# KiCad board lights.kicad_pcb
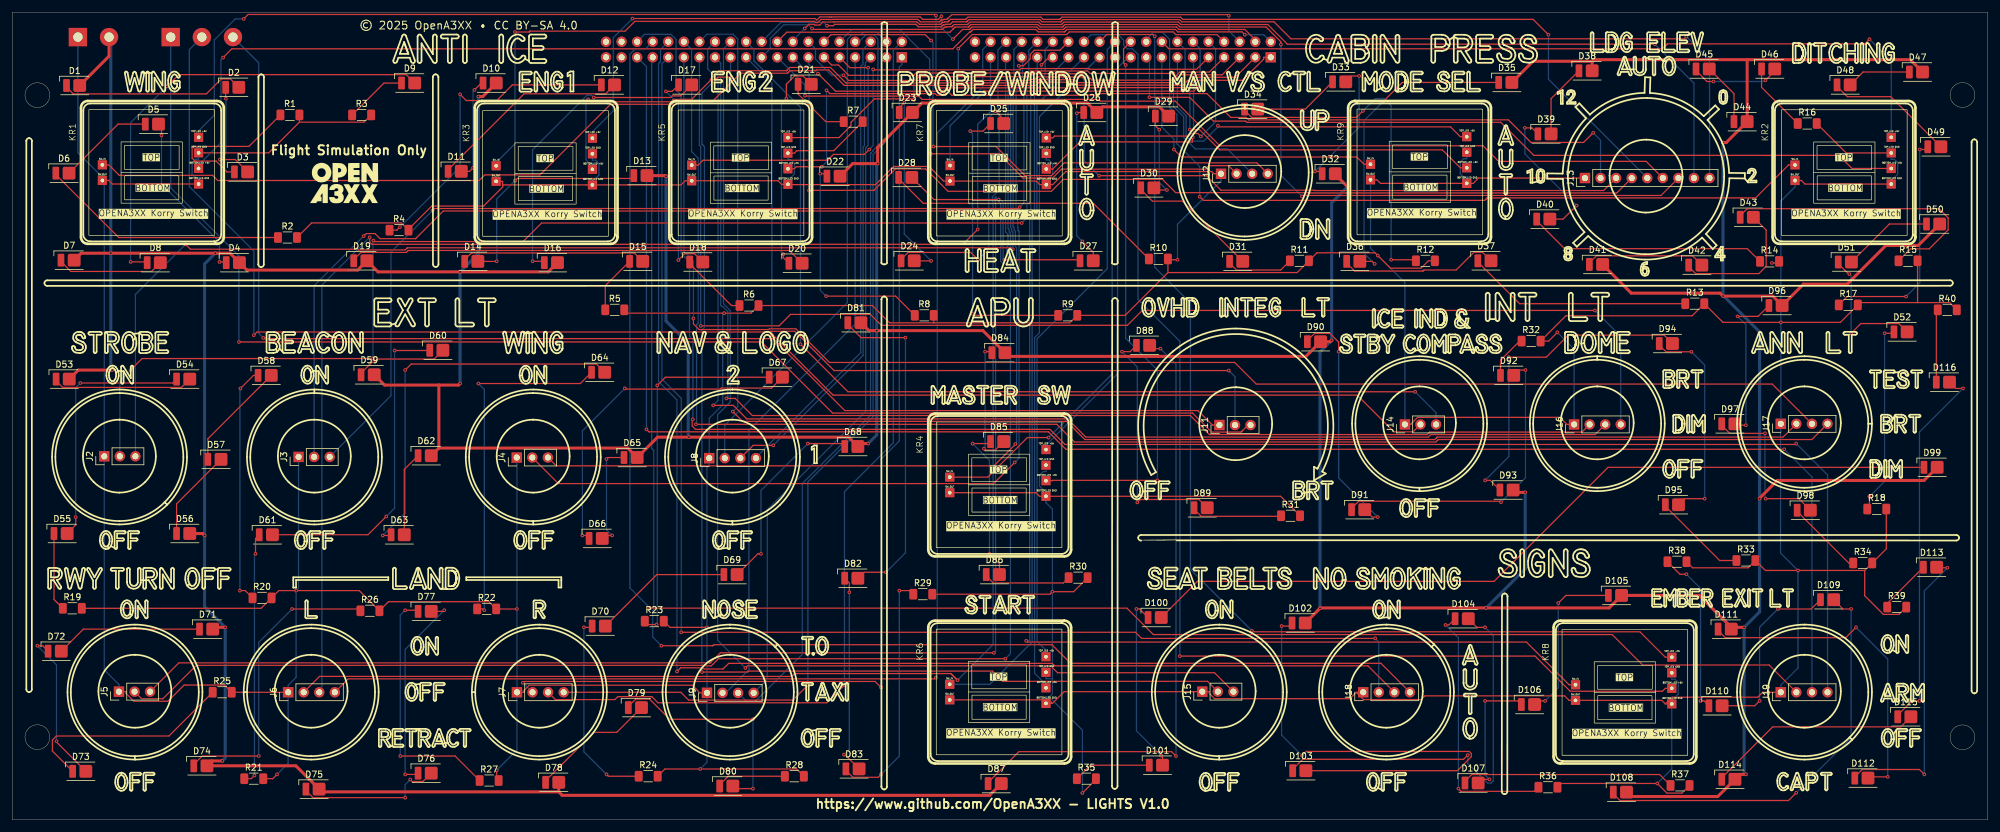
[diagram p0: board, top side]
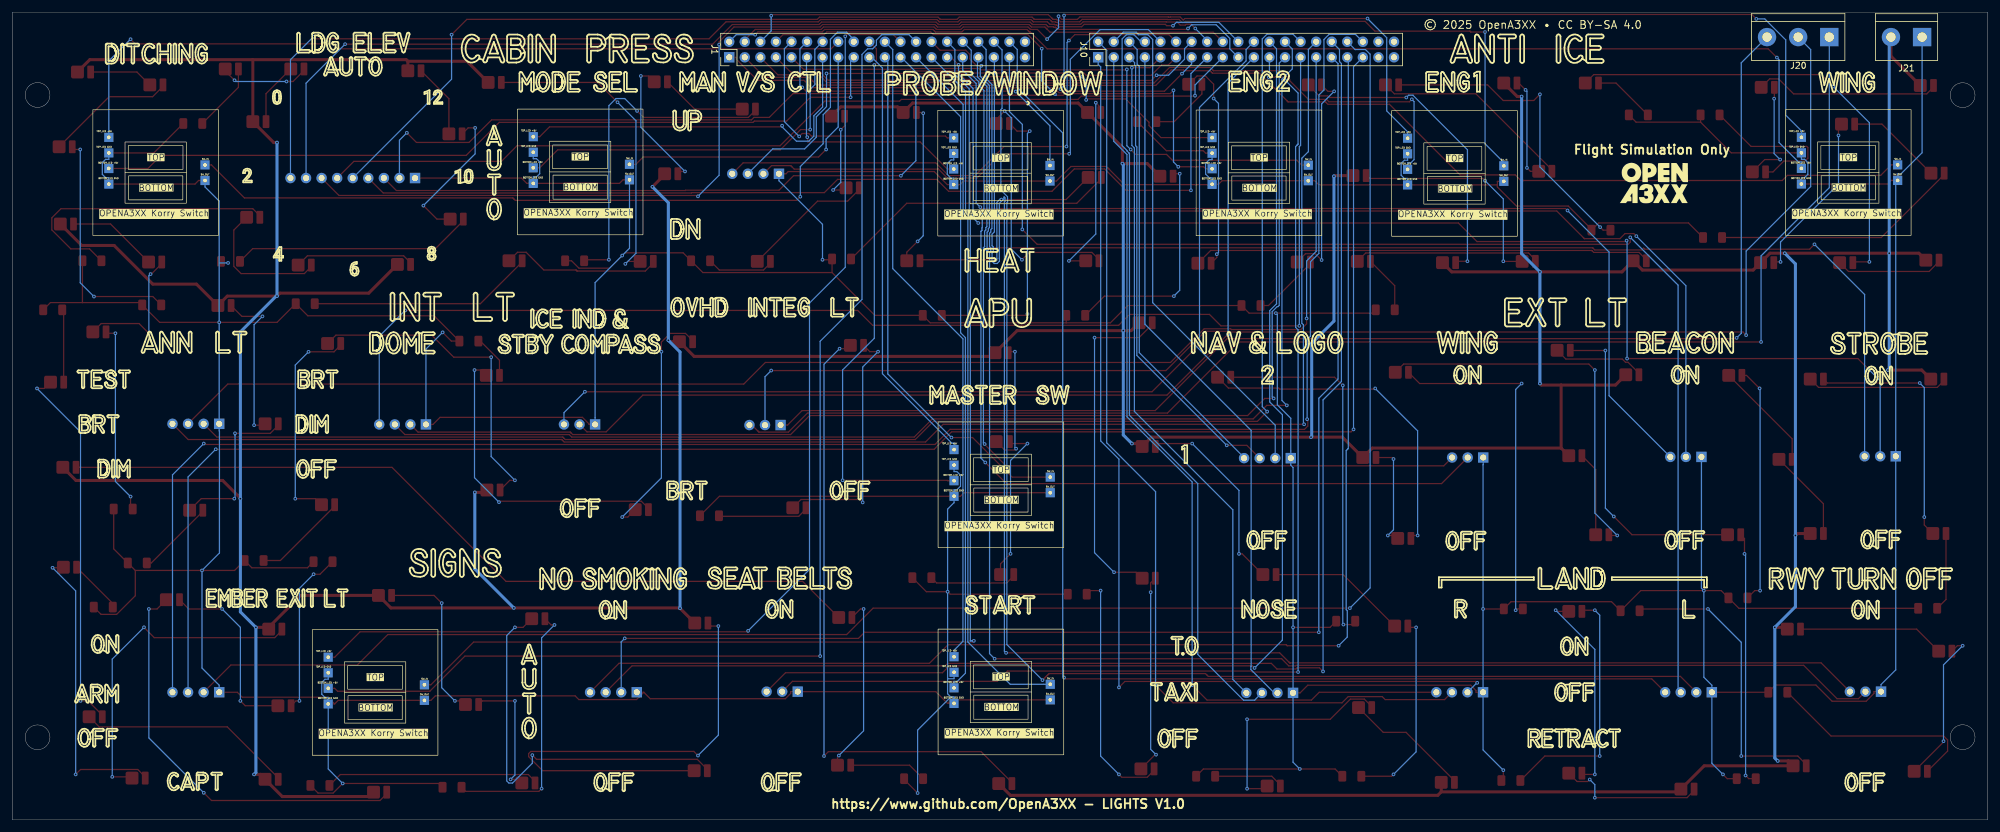
[diagram p1: board, bottom side, seen from below]

Outline 322.3 x 131.75 mm; copper layers: Top, Bottom. Coordinates in mm from the lower left corner of the outline.
Outline path: rectangle 0,131.75 322.3,0 ; circle c4.1,118.23 r2.02 ; circle c4.1,13.47 r2.02 ; circle c318.17,118.25 r2.02 ; circle c318.17,13.45 r2.02

## Placement (name value [footprint] x y rotation side)
bottom  LOGO  [OpenA3XXLogoSmall]  54.4 103.95 180 bottom
D1  LED  [LED_Everlight-SMD3528_3.5x2.8mm_67-21ST]  10.19 119.8 0 top
D2  LED  [LED_Everlight-SMD3528_3.5x2.8mm_67-21ST]  36.15 119.5 0 top
D3  LED  [LED_Everlight-SMD3528_3.5x2.8mm_67-21ST]  37.59 105.7 0 top
D4  LED  [LED_Everlight-SMD3528_3.5x2.8mm_67-21ST]  36.25 90.9 0 top
D5  LED  [LED_Everlight-SMD3528_3.5x2.8mm_67-21ST]  23.05 113.5 0 top
D6  LED  [LED_Everlight-SMD3528_3.5x2.8mm_67-21ST]  8.45 105.5 0 top
D7  LED  [LED_Everlight-SMD3528_3.5x2.8mm_67-21ST]  9.29 91.3 0 top
D8  LED  [LED_Everlight-SMD3528_3.5x2.8mm_67-21ST]  23.35 90.9 0 top
D9  LED  [LED_Everlight-SMD3528_3.5x2.8mm_67-21ST]  64.85 120.2 0 top
D10  LED  [LED_Everlight-SMD3528_3.5x2.8mm_67-21ST]  78.15 120.2 0 top
D11  LED  [LED_Everlight-SMD3528_3.5x2.8mm_67-21ST]  72.45 105.8 0 top
D12  LED  [LED_Everlight-SMD3528_3.5x2.8mm_67-21ST]  97.45 119.9 0 top
D13  LED  [LED_Everlight-SMD3528_3.5x2.8mm_67-21ST]  102.75 105.1 0 top
D14  LED  [LED_Everlight-SMD3528_3.5x2.8mm_67-21ST]  75.15 91.1 0 top
D15  LED  [LED_Everlight-SMD3528_3.5x2.8mm_67-21ST]  102.05 91.1 0 top
D16  LED  [LED_Everlight-SMD3528_3.5x2.8mm_67-21ST]  88.15 90.9 0 top
D17  LED  [LED_Everlight-SMD3528_3.5x2.8mm_67-21ST]  110.05 119.9 0 top
D18  LED  [LED_Everlight-SMD3528_3.5x2.8mm_67-21ST]  111.85 91 0 top
D19  LED  [LED_Everlight-SMD3528_3.5x2.8mm_67-21ST]  57.05 91.2 0 top
D20  LED  [LED_Everlight-SMD3528_3.5x2.8mm_67-21ST]  128.05 90.8 0 top
D21  LED  [LED_Everlight-SMD3528_3.5x2.8mm_67-21ST]  129.55 120 0 top
D22  LED  [LED_Everlight-SMD3528_3.5x2.8mm_67-21ST]  134.25 105 0 top
D23  LED  [LED_Everlight-SMD3528_3.5x2.8mm_67-21ST]  146.05 115.4 0 top
D24  LED  [LED_Everlight-SMD3528_3.5x2.8mm_67-21ST]  146.35 91.2 0 top
D25  LED  [LED_Everlight-SMD3528_3.5x2.8mm_67-21ST]  160.95 113.6 0 top
D26  LED  [LED_Everlight-SMD3528_3.5x2.8mm_67-21ST]  176.14 115.4 0 top
D27  LED  [LED_Everlight-SMD3528_3.5x2.8mm_67-21ST]  175.55 91.2 0 top
D28  LED  [LED_Everlight-SMD3528_3.5x2.8mm_67-21ST]  145.95 104.8 0 top
D29  LED  [LED_Everlight-SMD3528_3.5x2.8mm_67-21ST]  187.84 114.8 0 top
D30  LED  [LED_Everlight-SMD3528_3.5x2.8mm_67-21ST]  185.45 103.1 0 top
D31  LED  [LED_Everlight-SMD3528_3.5x2.8mm_67-21ST]  199.94 91.1 0 top
D32  LED  [LED_Everlight-SMD3528_3.5x2.8mm_67-21ST]  215.05 105.4 0 top
D33  LED  [LED_Everlight-SMD3528_3.5x2.8mm_67-21ST]  216.75 120.4 0 top
D34  LED  [LED_Everlight-SMD3528_3.5x2.8mm_67-21ST]  202.39 115.95 0 top
D35  LED  [LED_Everlight-SMD3528_3.5x2.8mm_67-21ST]  243.85 120.3 0 top
D36  LED  [LED_Everlight-SMD3528_3.5x2.8mm_67-21ST]  219.05 91.1 0 top
D37  LED  [LED_Everlight-SMD3528_3.5x2.8mm_67-21ST]  240.45 91.2 0 top
D38  LED  [LED_Everlight-SMD3528_3.5x2.8mm_67-21ST]  256.95 122.2 0 top
D39  LED  [LED_Everlight-SMD3528_3.5x2.8mm_67-21ST]  250.25 111.9 0 top
D40  LED  [LED_Everlight-SMD3528_3.5x2.8mm_67-21ST]  250.05 98 0 top
D41  LED  [LED_Everlight-SMD3528_3.5x2.8mm_67-21ST]  258.65 90.6 0 top
D42  LED  [LED_Everlight-SMD3528_3.5x2.8mm_67-21ST]  274.85 90.5 0 top
D43  LED  [LED_Everlight-SMD3528_3.5x2.8mm_67-21ST]  283.25 98.3 0 top
D44  LED  [LED_Everlight-SMD3528_3.5x2.8mm_67-21ST]  282.24 113.9 0 top
D45  LED  [LED_Everlight-SMD3528_3.5x2.8mm_67-21ST]  276.05 122.5 0 top
D46  LED  [LED_Everlight-SMD3528_3.5x2.8mm_67-21ST]  286.74 122.5 0 top
D47  LED  [LED_Everlight-SMD3528_3.5x2.8mm_67-21ST]  310.85 122 0 top
D48  LED  [LED_Everlight-SMD3528_3.5x2.8mm_67-21ST]  299.05 119.9 0 top
D49  LED  [LED_Everlight-SMD3528_3.5x2.8mm_67-21ST]  313.85 109.8 0 top
D50  LED  [LED_Everlight-SMD3528_3.5x2.8mm_67-21ST]  313.65 97.2 0 top
D51  LED  [LED_Everlight-SMD3528_3.5x2.8mm_67-21ST]  299.25 91 0 top
D52  LED  [LED_Everlight-SMD3528_3.5x2.8mm_67-21ST]  308.34 79.6 0 top
D53  LED  [LED_Everlight-SMD3528_3.5x2.8mm_67-21ST]  8.49 71.9 0 top
D54  LED  [LED_Everlight-SMD3528_3.5x2.8mm_67-21ST]  28.15 71.9 0 top
D55  LED  [LED_Everlight-SMD3528_3.5x2.8mm_67-21ST]  8.15 46.7 0 top
D56  LED  [LED_Everlight-SMD3528_3.5x2.8mm_67-21ST]  28.15 46.7 0 top
D57  LED  [LED_Everlight-SMD3528_3.5x2.8mm_67-21ST]  33.25 58.8 0 top
D58  LED  [LED_Everlight-SMD3528_3.5x2.8mm_67-21ST]  41.45 72.5 0 top
D59  LED  [LED_Everlight-SMD3528_3.5x2.8mm_67-21ST]  58.25 72.6 0 top
D60  LED  [LED_Everlight-SMD3528_3.5x2.8mm_67-21ST]  69.45 76.6 0 top
D61  LED  [LED_Everlight-SMD3528_3.5x2.8mm_67-21ST]  41.64 46.5 0 top
D62  LED  [LED_Everlight-SMD3528_3.5x2.8mm_67-21ST]  67.55 59.4 0 top
D63  LED  [LED_Everlight-SMD3528_3.5x2.8mm_67-21ST]  63.15 46.5 0 top
D64  LED  [LED_Everlight-SMD3528_3.5x2.8mm_67-21ST]  95.85 73 0 top
D65  LED  [LED_Everlight-SMD3528_3.5x2.8mm_67-21ST]  101.15 59.1 0 top
D66  LED  [LED_Everlight-SMD3528_3.5x2.8mm_67-21ST]  95.45 45.9 0 top
D67  LED  [LED_Everlight-SMD3528_3.5x2.8mm_67-21ST]  124.84 72.2 0 top
D68  LED  [LED_Everlight-SMD3528_3.5x2.8mm_67-21ST]  137.15 60.9 0 top
D69  LED  [LED_Everlight-SMD3528_3.5x2.8mm_67-21ST]  117.45 40 0 top
D70  LED  [LED_Everlight-SMD3528_3.5x2.8mm_67-21ST]  95.95 31.6 0 top
D71  LED  [LED_Everlight-SMD3528_3.5x2.8mm_67-21ST]  31.89 31.1 0 top
D72  LED  [LED_Everlight-SMD3528_3.5x2.8mm_67-21ST]  7.19 27.5 0 top
D73  LED  [LED_Everlight-SMD3528_3.5x2.8mm_67-21ST]  11.19 7.9 0 top
D74  LED  [LED_Everlight-SMD3528_3.5x2.8mm_67-21ST]  30.95 8.8 0 top
D75  LED  [LED_Everlight-SMD3528_3.5x2.8mm_67-21ST]  49.25 5 0 top
D76  LED  [LED_Everlight-SMD3528_3.5x2.8mm_67-21ST]  67.55 7.6 0 top
D77  LED  [LED_Everlight-SMD3528_3.5x2.8mm_67-21ST]  67.55 34 0 top
D78  LED  [LED_Everlight-SMD3528_3.5x2.8mm_67-21ST]  88.35 6.1 0 top
D79  LED  [LED_Everlight-SMD3528_3.5x2.8mm_67-21ST]  101.85 18.3 0 top
D80  LED  [LED_Everlight-SMD3528_3.5x2.8mm_67-21ST]  116.75 5.5 0 top
D81  LED  [LED_Everlight-SMD3528_3.5x2.8mm_67-21ST]  137.65 81.1 0 top
D82  LED  [LED_Everlight-SMD3528_3.5x2.8mm_67-21ST]  137.15 39.4 0 top
D83  LED  [LED_Everlight-SMD3528_3.5x2.8mm_67-21ST]  137.35 8.3 0 top
D84  LED  [LED_Everlight-SMD3528_3.5x2.8mm_67-21ST]  161.15 76.2 0 top
D85  LED  [LED_Everlight-SMD3528_3.5x2.8mm_67-21ST]  160.95 61.7 0 top
D86  LED  [LED_Everlight-SMD3528_3.5x2.8mm_67-21ST]  160.25 40 0 top
D87  LED  [LED_Everlight-SMD3528_3.5x2.8mm_67-21ST]  160.55 5.9 0 top
D88  LED  [LED_Everlight-SMD3528_3.5x2.8mm_67-21ST]  184.75 77.4 0 top
D89  LED  [LED_Everlight-SMD3528_3.5x2.8mm_67-21ST]  194.15 50.9 0 top
D90  LED  [LED_Everlight-SMD3528_3.5x2.8mm_67-21ST]  212.64 78 0 top
D91  LED  [LED_Everlight-SMD3528_3.5x2.8mm_67-21ST]  219.85 50.6 0 top
D92  LED  [LED_Everlight-SMD3528_3.5x2.8mm_67-21ST]  244.15 72.5 0 top
D93  LED  [LED_Everlight-SMD3528_3.5x2.8mm_67-21ST]  244.05 53.8 0 top
D94  LED  [LED_Everlight-SMD3528_3.5x2.8mm_67-21ST]  270.05 77.7 0 top
D95  LED  [LED_Everlight-SMD3528_3.5x2.8mm_67-21ST]  271.04 51.4 0 top
D96  LED  [LED_Everlight-SMD3528_3.5x2.8mm_67-21ST]  287.94 83.9 0 top
D97  LED  [LED_Everlight-SMD3528_3.5x2.8mm_67-21ST]  280.24 64.6 0 top
D98  LED  [LED_Everlight-SMD3528_3.5x2.8mm_67-21ST]  292.55 50.5 0 top
D99  LED  [LED_Everlight-SMD3528_3.5x2.8mm_67-21ST]  313.24 57.5 0 top
D100  LED  [LED_Everlight-SMD3528_3.5x2.8mm_67-21ST]  186.65 33 0 top
D101  LED  [LED_Everlight-SMD3528_3.5x2.8mm_67-21ST]  186.85 8.9 0 top
D102  LED  [LED_Everlight-SMD3528_3.5x2.8mm_67-21ST]  210.14 32.1 0 top
D103  LED  [LED_Everlight-SMD3528_3.5x2.8mm_67-21ST]  210.24 8 0 top
D104  LED  [LED_Everlight-SMD3528_3.5x2.8mm_67-21ST]  236.74 32.8 0 top
D105  LED  [LED_Everlight-SMD3528_3.5x2.8mm_67-21ST]  261.75 36.6 0 top
D106  LED  [LED_Everlight-SMD3528_3.5x2.8mm_67-21ST]  247.55 18.8 0 top
D107  LED  [LED_Everlight-SMD3528_3.5x2.8mm_67-21ST]  238.35 6 0 top
D108  LED  [LED_Everlight-SMD3528_3.5x2.8mm_67-21ST]  262.55 4.5 0 top
D109  LED  [LED_Everlight-SMD3528_3.5x2.8mm_67-21ST]  296.35 35.9 0 top
D110  LED  [LED_Everlight-SMD3528_3.5x2.8mm_67-21ST]  278.15 18.6 0 top
D111  LED  [LED_Everlight-SMD3528_3.5x2.8mm_67-21ST]  279.65 31.1 0 top
D112  LED  [LED_Everlight-SMD3528_3.5x2.8mm_67-21ST]  301.95 6.8 0 top
D113  LED  [LED_Everlight-SMD3528_3.5x2.8mm_67-21ST]  313.15 41.2 0 top
D114  LED  [LED_Everlight-SMD3528_3.5x2.8mm_67-21ST]  280.25 6.6 0 top
D115  LED  [LED_Everlight-SMD3528_3.5x2.8mm_67-21ST]  308.95 16.8 0 top
D116  LED  [LED_Everlight-SMD3528_3.5x2.8mm_67-21ST]  315.25 71.4 0 top
J1  Conn_02x20_Counter_Clockwise  [PinHeader_2x20_P2.54mm_Vertical]  205.33 124.4 90 bottom
J2  Conn_01x03_Pin  [PinHeader_1x03_P2.54mm_Vertical]  15.01 59.3 90 top
J3  Conn_01x03_Pin  [PinHeader_1x03_P2.54mm_Vertical]  46.71 59.2 90 top
J4  Conn_01x03_Pin  [PinHeader_1x03_P2.54mm_Vertical]  82.31 59.1 90 top
J5  Conn_01x03_Pin  [PinHeader_1x03_P2.54mm_Vertical]  17.41 20.9 90 top
J6  Conn_01x04_Pin  [PinHeader_1x04_P2.54mm_Vertical]  45.01 20.8 90 top
J7  Conn_01x04_Pin  [PinHeader_1x04_P2.54mm_Vertical]  82.34 20.8 90 top
J8  Conn_01x04_Pin  [PinHeader_1x04_P2.54mm_Vertical]  113.71 59 90 top
J9  Conn_01x04_Pin  [PinHeader_1x04_P2.54mm_Vertical]  113.34 20.7 90 top
J10  Conn_02x20_Counter_Clockwise  [PinHeader_2x20_P2.54mm_Vertical]  145.13 124.4 90 bottom
J11  Conn_01x03_Pin  [PinHeader_1x03_P2.54mm_Vertical]  196.95 64.4 90 top
J12  Conn_01x04_Pin  [PinHeader_1x04_P2.54mm_Vertical]  197.21 105.4 90 top
J13  Conn_01x09_Pin  [PinHeader_1x09_P2.54mm_Vertical]  256.59 104.7 90 top
J14  Conn_01x03_Pin  [PinHeader_1x03_P2.54mm_Vertical]  227.21 64.5 90 top
J15  Conn_01x03_Pin  [PinHeader_1x03_P2.54mm_Vertical]  194.15 20.9 90 top
J16  Conn_01x04_Pin  [PinHeader_1x04_P2.54mm_Vertical]  254.81 64.5 90 top
J17  Conn_01x04_Pin  [PinHeader_1x04_P2.54mm_Vertical]  288.54 64.6 90 top
J18  Conn_01x04_Pin  [PinHeader_1x04_P2.54mm_Vertical]  220.41 20.8 90 top
J19  Conn_01x04_Pin  [PinHeader_1x04_P2.54mm_Vertical]  288.54 20.8 90 top
J20  Conn_01x03_Pin  [TerminalBlock_bornier-3_P5.08mm]  25.85 127.7 0 bottom
J21  Conn_02x01  [TerminalBlock_bornier-2_P5.08mm]  10.71 127.7 0 bottom
KR1  ~  [Korry Switch]  12.5 115.85 0 top
KR2  ~  [Korry Switch]  288.65 115.84 0 top
KR3  ~  [Korry Switch]  76.75 115.7 0 top
KR4  ~  [Korry Switch]  150.75 64.9 0 top
KR5  ~  [Korry Switch]  108.65 115.8 0 top
KR6  ~  [Korry Switch]  150.75 31.1 0 top
KR7  ~  [Korry Switch]  150.8 115.75 0 top
KR8  ~  [Korry Switch]  252.85 31.02 0 top
KR9  ~  [Korry Switch]  219.4 115.95 0 top
R1  220R  [R_1206_3216Metric_Pad1.30x1.75mm_HandSolder]  45.3 115 0 top
R2  220R  [R_1206_3216Metric_Pad1.30x1.75mm_HandSolder]  44.9 95 0 top
R3  220R  [R_1206_3216Metric_Pad1.30x1.75mm_HandSolder]  57 115 0 top
R4  220R  [R_1206_3216Metric_Pad1.30x1.75mm_HandSolder]  63.1 96.2 0 top
R5  220R  [R_1206_3216Metric_Pad1.30x1.75mm_HandSolder]  98.3 83.2 0 top
R6  220R  [R_1206_3216Metric_Pad1.30x1.75mm_HandSolder]  120.2 83.9 0 top
R7  220R  [R_1206_3216Metric_Pad1.30x1.75mm_HandSolder]  137.2 113.9 0 top
R8  220R  [R_1206_3216Metric_Pad1.30x1.75mm_HandSolder]  148.8 82.3 0 top
R9  220R  [R_1206_3216Metric_Pad1.30x1.75mm_HandSolder]  172.2 82.3 0 top
R10  220R  [R_1206_3216Metric_Pad1.30x1.75mm_HandSolder]  187 91.5 0 top
R11  220R  [R_1206_3216Metric_Pad1.30x1.75mm_HandSolder]  210 91.2 0 top
R12  220R  [R_1206_3216Metric_Pad1.30x1.75mm_HandSolder]  230.55 91.2 0 top
R13  220R  [R_1206_3216Metric_Pad1.30x1.75mm_HandSolder]  274.5 84.2 0 top
R14  220R  [R_1206_3216Metric_Pad1.30x1.75mm_HandSolder]  286.7 91.1 0 top
R15  220R  [R_1206_3216Metric_Pad1.30x1.75mm_HandSolder]  309.3 91.2 0 top
R16  220R  [R_1206_3216Metric_Pad1.30x1.75mm_HandSolder]  292.85 113.6 0 top
R17  220R  [R_1206_3216Metric_Pad1.30x1.75mm_HandSolder]  299.55 84 0 top
R18  220R  [R_1206_3216Metric_Pad1.30x1.75mm_HandSolder]  304.2 50.7 0 top
R19  220R  [R_1206_3216Metric_Pad1.30x1.75mm_HandSolder]  9.8 34.5 0 top
R20  220R  [R_1206_3216Metric_Pad1.30x1.75mm_HandSolder]  40.75 36.2 0 top
R21  220R  [R_1206_3216Metric_Pad1.30x1.75mm_HandSolder]  39.4 6.7 0 top
R22  220R  [R_1206_3216Metric_Pad1.30x1.75mm_HandSolder]  77.4 34.4 0 top
R23  220R  [R_1206_3216Metric_Pad1.30x1.75mm_HandSolder]  104.75 32.4 0 top
R24  220R  [R_1206_3216Metric_Pad1.30x1.75mm_HandSolder]  103.75 7.1 0 top
R25  220R  [R_1206_3216Metric_Pad1.30x1.75mm_HandSolder]  34.25 20.8 0 top
R26  220R  [R_1206_3216Metric_Pad1.30x1.75mm_HandSolder]  58.35 34.1 0 top
R27  220R  [R_1206_3216Metric_Pad1.30x1.75mm_HandSolder]  77.8 6.4 0 top
R28  220R  [R_1206_3216Metric_Pad1.30x1.75mm_HandSolder]  127.6 7.1 0 top
R29  220R  [R_1206_3216Metric_Pad1.30x1.75mm_HandSolder]  148.55 36.8 0 top
R30  220R  [R_1206_3216Metric_Pad1.30x1.75mm_HandSolder]  173.9 39.5 0 top
R31  220R  [R_1206_3216Metric_Pad1.30x1.75mm_HandSolder]  208.55 49.6 0 top
R32  220R  [R_1206_3216Metric_Pad1.30x1.75mm_HandSolder]  247.8 78.1 0 top
R33  220R  [R_1206_3216Metric_Pad1.30x1.75mm_HandSolder]  282.85 42.3 0 top
R34  220R  [R_1206_3216Metric_Pad1.30x1.75mm_HandSolder]  301.9 41.9 0 top
R35  220R  [R_1206_3216Metric_Pad1.30x1.75mm_HandSolder]  175.25 6.7 0 top
R36  220R  [R_1206_3216Metric_Pad1.30x1.75mm_HandSolder]  250.55 5.3 0 top
R37  220R  [R_1206_3216Metric_Pad1.30x1.75mm_HandSolder]  272.1 5.6 0 top
R38  220R  [R_1206_3216Metric_Pad1.30x1.75mm_HandSolder]  271.6 42.1 0 top
R39  220R  [R_1206_3216Metric_Pad1.30x1.75mm_HandSolder]  307.45 34.7 0 top
R40  220R  [R_1206_3216Metric_Pad1.30x1.75mm_HandSolder]  315.7 83.2 0 top
top  LOGO  [OpenA3XXLogoSmall]  54.2 103.95 0 top

## Library data of the parts
D1-D116 = -: Description: Light emitting diode; Sim.Pins: 1=K 2=A; ki_fp_filters: LED* LED_SMD:* LED_THT:*
J1 J10 = -: Description: Generic connector, double row, 02x20, counter clockwise pin numbering scheme (similar to DIP package numbering), script generated (kicad-library-utils/schlib/autogen/connector/); ki_fp_filters: Connector*:*_2x??_*
J2 = -: Description: Strobe; ki_fp_filters: Connector*:*_1x??_*
J3 = -: Description: Beacon; ki_fp_filters: Connector*:*_1x??_*
J4 = -: Description: Wing; ki_fp_filters: Connector*:*_1x??_*
J5 = -: Description: RWY Turn Off; ki_fp_filters: Connector*:*_1x??_*
J6 = -: Description: Land L; ki_fp_filters: Connector*:*_1x??_*
J7 = -: Description: Land R; ki_fp_filters: Connector*:*_1x??_*
J8 = -: Description: Nav & Logo; ki_fp_filters: Connector*:*_1x??_*
J9 = -: Description: Nose; ki_fp_filters: Connector*:*_1x??_*
J11 = -: Description: OVHD LIGHTS; ki_fp_filters: Connector*:*_1x??_*
J12 = -: Description: MAN VS CTL; ki_fp_filters: Connector*:*_1x??_*
J13 = -: Description: LDG ELEV; ki_fp_filters: Connector*:*_1x??_*
J14 = -: Description: ICE IND & STBY COMPASS; ki_fp_filters: Connector*:*_1x??_*
J15 = -: Description: Seat Belts; ki_fp_filters: Connector*:*_1x??_*
J16 = -: Description: Dome Light; ki_fp_filters: Connector*:*_1x??_*
J17 = -: Description: ANN LT; ki_fp_filters: Connector*:*_1x??_*
J18 = -: Description: No Smoking; ki_fp_filters: Connector*:*_1x??_*
J19 = -: Description: Ember Exit LT; ki_fp_filters: Connector*:*_1x??_*
J20 = -: Description: Generic connector, single row, 01x03, script generated; ki_fp_filters: Connector*:*_1x??_*
J21 = -: Description: Generic connector, double row, 02x01, this symbol is compatible with counter-clockwise, top-bottom and odd-even numbering schemes., script generated (kicad-library-utils/schlib/autogen/connector/); ki_fp_filters: Connector*:*_2x??_*
KR1 = -: Description: Anti-Ice Wing
KR2 = -: Description: Ditching
KR3 = -: Description: Anti-Ice Eng 1
KR4 = -: Description: APU Master SW
KR5 = -: Description: Anti-Ice Eng 2
KR6 = -: Description: APU Start
KR7 = -: Description: Probe Window Heat
KR8 = -: Description: Ember Exit LIght Korry Switch
KR9 = -: Description: Cabin Press Mode Sel
R1-R40 = -: Description: Resistor; ki_fp_filters: R_*

## Footprints (pads in the part's own frame, mm; a bottom-side part is the same pattern mirrored in y, then rotated)
Korry Switch
  rect 1.5x1.5 hole 0.6: 1(17.9,-4.5) 2(17.9,-7.04) 3(17.9,-9.58) 4(17.9,-12.12) 5(2.2,-9) 6(2.2,-11.54)
LED_Everlight-SMD3528_3.5x2.8mm_67-21ST
  rrect 1.1x2.1 smd: 1(-1.34,0)
  rrect 2.1x2.1 smd: 2(0.81,0)
PinHeader_1x03_P2.54mm_Vertical
  rect 1.7x1.7 hole 1: 1(0,0)
  round 1.7 hole 1: 2(0,-2.54) 3(0,-5.08)
PinHeader_1x04_P2.54mm_Vertical
  rect 1.7x1.7 hole 1: 1(0,0)
  round 1.7 hole 1: 2(0,-2.54) 3(0,-5.08) 4(0,-7.62)
PinHeader_1x09_P2.54mm_Vertical
  rect 1.7x1.7 hole 1: 1(0,0)
  round 1.7 hole 1: 2(0,-2.54) 3(0,-5.08) 4(0,-7.62) 5(0,-10.16) 6(0,-12.7) 7(0,-15.24) 8(0,-17.78) 9(0,-20.32)
PinHeader_2x20_P2.54mm_Vertical
  rect 1.7x1.7 hole 1: 1(0,0)
  round 1.7 hole 1: 2(2.54,0) 3(0,-2.54) 4(2.54,-2.54) 5(0,-5.08) 6(2.54,-5.08) 7(0,-7.62) 8(2.54,-7.62) 9(0,-10.16) 10(2.54,-10.16) 11(0,-12.7) 12(2.54,-12.7) 13(0,-15.24) 14(2.54,-15.24) 15(0,-17.78) 16(2.54,-17.78) 17(0,-20.32) 18(2.54,-20.32) 19(0,-22.86) 20(2.54,-22.86) 21(0,-25.4) 22(2.54,-25.4) 23(0,-27.94) 24(2.54,-27.94) 25(0,-30.48) 26(2.54,-30.48) 27(0,-33.02) 28(2.54,-33.02) 29(0,-35.56) 30(2.54,-35.56) 31(0,-38.1) 32(2.54,-38.1) 33(0,-40.64) 34(2.54,-40.64) 35(0,-43.18) 36(2.54,-43.18) 37(0,-45.72) 38(2.54,-45.72) 39(0,-48.26) 40(2.54,-48.26)
R_1206_3216Metric_Pad1.30x1.75mm_HandSolder
  rrect 1.3x1.75 smd: 1(-1.55,0) 2(1.55,0)
TerminalBlock_bornier-2_P5.08mm
  rect 3x3 hole 1.52: 1(0,0)
  round 3 hole 1.52: 2(5.08,0)
TerminalBlock_bornier-3_P5.08mm
  rect 3x3 hole 1.52: 1(0,0)
  round 3 hole 1.52: 2(5.08,0) 3(10.16,0)

## Nets
+12V: D1.2 D4.2 D7.2 D10.2 D13.2 D16.2 D19.2 D22.2 D23.2 D26.2 D29.2 D32.2 D35.2 D38.2 D41.2 D44.2 D47.2 D50.2 D53.2 D56.2 D59.2 D62.2 D65.2 D68.2 D71.2 D74.2 D75.2 D78.2 D81.2 D84.2 D87.2 D90.2 D93.2 D96.2 D99.2 D102.2 D105.2 D108.2 D111.2 D114.2 J21.2
GND: J2.1 J3.1 J4.1 J5.1 J6.1 J7.1 J8.1 J9.1 J12.1 J13.1 J14.1 J15.1 J16.1 J17.1 J18.1 J19.1 J21.1 KR1.2 KR1.4 KR1.6 KR2.2 KR2.4 KR2.6 KR3.2 KR3.4 KR3.6 KR4.2 KR4.4 KR4.6 KR5.2 KR5.4 KR5.6 KR6.2 KR6.4 KR6.6 KR7.2 KR7.4 KR7.6 KR8.2 KR8.4 KR8.6 KR9.2 KR9.4 KR9.6 R1.2 R2.2 R3.2 R4.2 R5.2 R6.2 R7.2 R8.2 R9.2 R10.2 R11.2 R12.2 R13.2 R14.2 R15.2 R16.2 R17.2 R18.2 R19.2 R20.2 R21.2 R22.2 R23.2 R24.2 R25.2 R26.2 R27.2 R28.2 R29.2 R30.2 R31.2 R32.2 R33.2 R34.2 R35.2 R36.2 R37.2 R38.2 R39.2 R40.2
Net-(D1-K): D1.1 D2.2
Net-(D2-K): D2.1 D3.2
Net-(D3-K): D3.1 R1.1
Net-(D4-K): D4.1 D5.2
Net-(D5-K): D5.1 D6.2
Net-(D6-K): D6.1 R2.1
Net-(D7-K): D7.1 D8.2
Net-(D8-K): D8.1 D9.2
Net-(D9-K): D9.1 R3.1
Net-(D10-K): D10.1 D11.2
Net-(D11-K): D11.1 D12.2
Net-(D12-K): D12.1 R4.1
Net-(D13-K): D13.1 D14.2
Net-(D14-K): D14.1 D15.2
Net-(D15-K): D15.1 R5.1
Net-(D16-K): D16.1 D17.2
Net-(D17-K): D17.1 D18.2
Net-(D18-K): D18.1 R6.1
Net-(D19-K): D19.1 D20.2
Net-(D20-K): D20.1 D21.2
Net-(D21-K): D21.1 R7.1
Net-(D22-K): D22.1 R8.1
Net-(D23-K): D23.1 D24.2
Net-(D24-K): D24.1 D25.2
Net-(D25-K): D25.1 R9.1
Net-(D26-K): D26.1 D27.2
Net-(D27-K): D27.1 D28.2
Net-(D28-K): D28.1 R10.1
Net-(D29-K): D29.1 D30.2
Net-(D30-K): D30.1 D31.2
Net-(D31-K): D31.1 R11.1
Net-(D32-K): D32.1 D33.2
Net-(D33-K): D33.1 D34.2
Net-(D34-K): D34.1 R12.1
Net-(D35-K): D35.1 D36.2
Net-(D36-K): D36.1 D37.2
Net-(D37-K): D37.1 R13.1
Net-(D38-K): D38.1 D39.2
Net-(D39-K): D39.1 D40.2
Net-(D40-K): D40.1 R14.1
Net-(D41-K): D41.1 D42.2
Net-(D42-K): D42.1 D43.2
Net-(D43-K): D43.1 R15.1
Net-(D44-K): D44.1 D45.2
Net-(D45-K): D45.1 D46.2
Net-(D46-K): D46.1 R16.1
Net-(D47-K): D47.1 D48.2
Net-(D48-K): D48.1 D49.2
Net-(D49-K): D49.1 R17.1
Net-(D50-K): D50.1 D51.2
Net-(D51-K): D51.1 D52.2
Net-(D52-K): D52.1 R18.1
Net-(D53-K): D53.1 D54.2
Net-(D54-K): D54.1 D55.2
Net-(D55-K): D55.1 R19.1
Net-(D56-K): D56.1 D57.2
Net-(D57-K): D57.1 D58.2
Net-(D58-K): D58.1 R20.1
Net-(D59-K): D59.1 D60.2
Net-(D60-K): D60.1 D61.2
Net-(D61-K): D61.1 R21.1
Net-(D62-K): D62.1 D63.2
Net-(D63-K): D63.1 D64.2
Net-(D64-K): D64.1 R22.1
Net-(D65-K): D65.1 D66.2
Net-(D66-K): D66.1 D67.2
Net-(D67-K): D67.1 R23.1
Net-(D68-K): D68.1 D69.2
Net-(D69-K): D69.1 D70.2
Net-(D70-K): D70.1 R24.1
Net-(D71-K): D71.1 D72.2
Net-(D72-K): D72.1 D73.2
Net-(D73-K): D73.1 R25.1
Net-(D74-K): D74.1 R26.1
Net-(D75-K): D75.1 D76.2
Net-(D76-K): D76.1 D77.2
Net-(D77-K): D77.1 R27.1
Net-(D78-K): D78.1 D79.2
Net-(D79-K): D79.1 D80.2
Net-(D80-K): D80.1 R28.1
Net-(D81-K): D81.1 D82.2
Net-(D82-K): D82.1 D83.2
Net-(D83-K): D83.1 R29.1
Net-(D84-K): D84.1 D85.2
Net-(D85-K): D85.1 D86.2
Net-(D86-K): D86.1 R30.1
Net-(D87-K): D87.1 D88.2
Net-(D88-K): D88.1 D89.2
Net-(D89-K): D89.1 R31.1
Net-(D90-K): D90.1 D91.2
Net-(D91-K): D91.1 D92.2
Net-(D92-K): D92.1 R32.1
Net-(D93-K): D93.1 D94.2
Net-(D94-K): D94.1 D95.2
Net-(D95-K): D95.1 R33.1
Net-(D96-K): D96.1 D97.2
Net-(D97-K): D97.1 D98.2
Net-(D98-K): D98.1 R34.1
Net-(D100-A): D99.1 D100.2
Net-(D100-K): D100.1 D101.2
Net-(D101-K): D101.1 R35.1
Net-(D102-K): D102.1 D103.2
Net-(D103-K): D103.1 D104.2
Net-(D104-K): D104.1 R36.1
Net-(D105-K): D105.1 D106.2
Net-(D106-K): D106.1 D107.2
Net-(D107-K): D107.1 R37.1
Net-(D108-K): D108.1 D109.2
Net-(D109-K): D109.1 D110.2
Net-(D110-K): D110.1 R38.1
Net-(D111-K): D111.1 D112.2
Net-(D112-K): D112.1 D113.2
Net-(D113-K): D113.1 R39.1
Net-(D114-K): D114.1 D115.2
Net-(D115-K): D115.1 D116.2
Net-(D116-K): D116.1 R40.1
Net-(J1-Pin_1): J1.1 KR1.1
Net-(J1-Pin_2): J1.2 KR1.3
Net-(J1-Pin_3): J1.3 KR1.5
Net-(J1-Pin_4): J1.4 KR3.1
Net-(J1-Pin_5): J1.5 KR3.3
Net-(J1-Pin_6): J1.6 KR3.5
Net-(J1-Pin_7): J1.7 KR5.1
Net-(J1-Pin_8): J1.8 KR5.3
Net-(J1-Pin_9): J1.9 KR5.5
Net-(J1-Pin_10): J1.10 KR7.1
Net-(J1-Pin_11): J1.11 KR7.3
Net-(J1-Pin_12): J1.12 KR7.5
Net-(J1-Pin_13): J1.13 KR9.1
Net-(J1-Pin_14): J1.14 KR9.3
Net-(J1-Pin_15): J1.15 KR9.5
Net-(J1-Pin_16): J1.16 KR2.1
Net-(J1-Pin_17): J1.17 KR2.3
Net-(J1-Pin_18): J1.18 KR2.5
Net-(J1-Pin_19): J1.19 KR4.1
Net-(J1-Pin_20): J1.20 KR4.3